# Allegro board 6089-119-RevB_08.brd (continued)
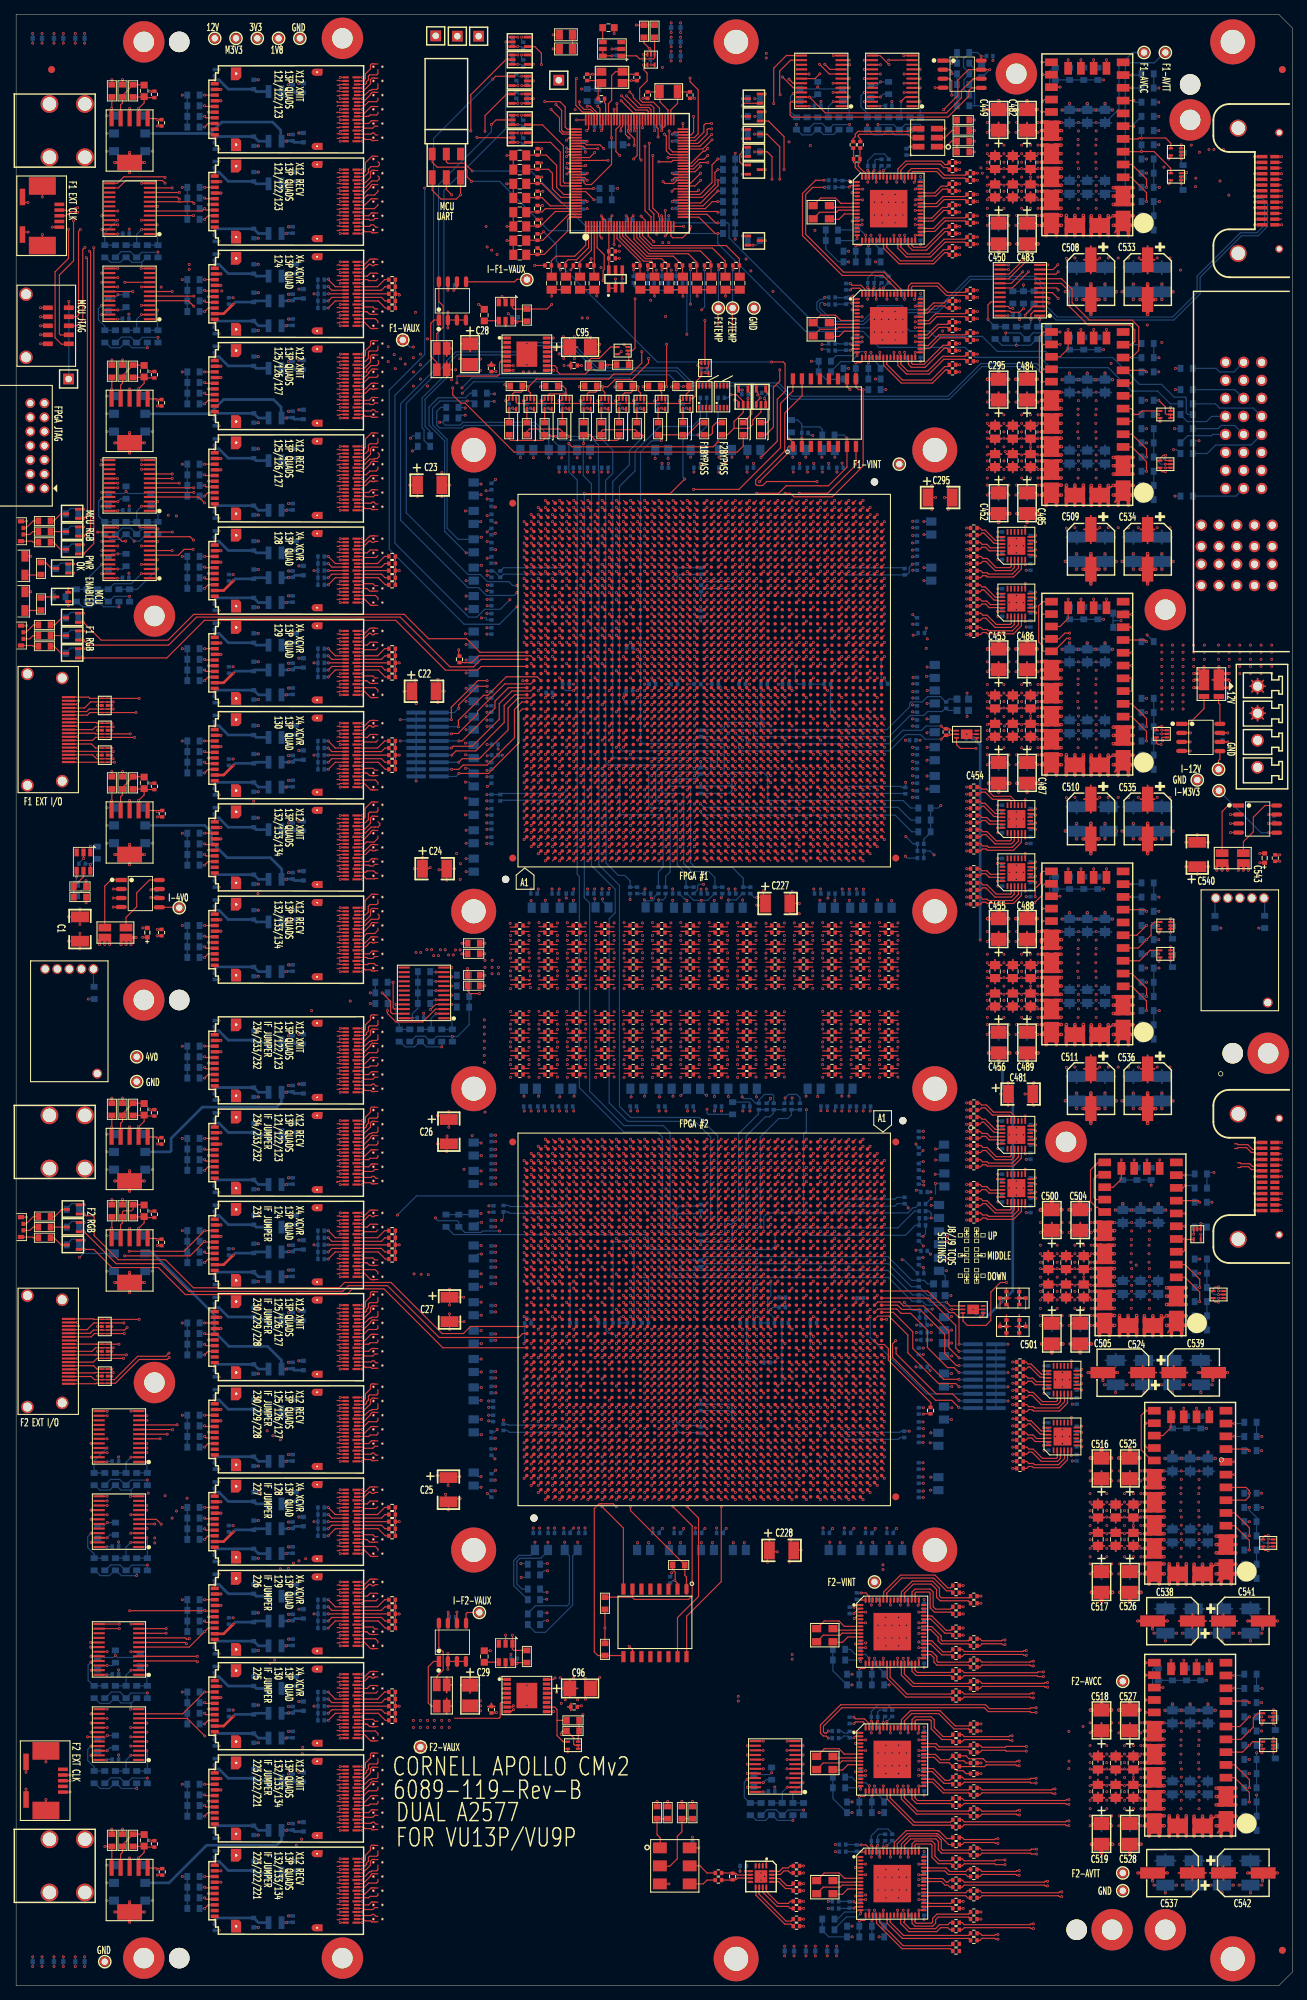
[diagram p0: board, top side]
## Routing (per net, layer and track width the routed paths; a pad name or vN(x,y) marks a point on that pad's centre or on a via; arc(x,y) is an arc through that point) (continued)
PF1_M_XMIT1: length 43.8
  TOP w0.165: C292.2 122.39,131.06 121.69,131.06 ; U75.BK13 121.39,170.51
  SIG3 w0.083: 121.69,131.06 121.9,131.27 arc(121.92,131.28) 121.95,131.29 122.4,131.29 arc(123,131.54) 123.25,132.14 123.25,150.25 arc(123.35,150.7) 123.6,151.1 arc(123.93,151.65) 124.05,152.29 124.05,168.3 arc(123.51,169.61) 122.2,170.15 121.85,170.15 arc(121.76,170.17) 121.68,170.22 121.39,170.51
PF1_M_XMIT2: length 37.6
  TOP w0.165: C290.2 122.39,133.56 121.69,133.56 ; U75.BL11 122.39,168.51
  SIG3 w0.083: 121.69,133.56 121.9,133.77 arc(121.92,133.78) 121.95,133.79 122.1,133.79 arc(122.52,133.97) 122.7,134.39 122.7,152.67 arc(122.7,152.71) 122.72,152.75 122.8,152.95 arc(122.84,153.03) 122.88,153.1 arc(123.05,153.39) 123.11,153.73 123.11,167.56 arc(122.95,167.95) 122.56,168.11 122.47,168.11 arc(122.42,168.14) 122.39,168.2 122.39,168.51
PF1_M_XMIT3: length 33.1
  TOP w0.165: C288.2 122.39,136.06 121.69,136.06 ; U75.BK9 121.39,166.51
  SIG3 w0.083: 121.69,136.06 121.7,136.06 arc(121.76,136.09) 121.79,136.14 arc(121.78,136.22) 121.82,136.3 arc(121.84,136.29) 121.86,136.29 arc(121.87,136.29) 121.88,136.29 arc(121.92,136.3) 121.96,136.31 arc(122.18,136.53) 122.26,136.82 122.26,137.75 arc(122.19,138.07) 122.01,138.34 121.55,138.8 arc(121.36,139.08) 121.3,139.4 121.3,150.72 arc(121.36,151.03) 121.54,151.29 121.65,151.4 arc(121.92,151.8) 122.01,152.27 122.01,165.66 arc(121.88,165.98) 121.56,166.11 121.47,166.11 arc(121.42,166.14) 121.39,166.2 121.39,166.51
PF1_N_RECV0: length 25.4
  TOP w0.165: C270.1 118.39,141.06 117.69,141.06 ; U75.BH4 119.39,161.51
  SIG4 w0.083: 119.39,161.51 119.39,161.2 arc(119.42,161.14) 119.47,161.11 120.6,161.11 arc(120.88,161) 121,160.71 121,151.39 arc(120.93,151.03) 120.72,150.73 120.22,150.22 arc(119.87,149.7) 119.75,149.09 119.75,141.89 arc(119.57,141.47) 119.15,141.29 117.95,141.29 arc(117.92,141.28) 117.9,141.27 117.69,141.06
PF1_N_RECV1: length 16
  TOP w0.165: U75.BG2 118.39,159.51 ; 117.69,146.06 118.39,146.06 C266.1
  SIG4 w0.083: 117.69,146.06 117.9,146.27 arc(117.92,146.28) 117.95,146.29 118.15,146.29 arc(118.65,146.5) 118.86,147 118.86,152.21 arc(118.87,152.47) 118.93,152.73 arc(118.98,152.98) 119,153.24 119,158.67 arc(118.87,158.98) 118.56,159.11 118.47,159.11 arc(118.42,159.14) 118.39,159.2 118.39,159.51
PF1_N_RECV2: length 23.7
  TOP w0.165: 117.69,143.56 118.39,143.56 C268.1 ; U75.BG6 118.39,163.51
  SIG4 w0.083: 118.39,163.51 118.39,163.2 arc(118.42,163.14) 118.47,163.11 118.56,163.11 arc(118.87,162.98) 119,162.67 119,160.4 arc(119.09,160.19) 119.3,160.1 119.6,160.1 arc(119.89,159.98) 120.01,159.69 120.01,151.53 arc(119.92,151.1) 119.68,150.73 119.63,150.69 arc(119.39,150.32) 119.3,149.88 119.3,144.94 arc(118.96,144.13) 118.15,143.79 117.95,143.79 arc(117.92,143.78) 117.9,143.77 117.69,143.56
PF1_N_RECV3: length 15.3
  TOP w0.165: C264.1 118.39,148.56 117.69,148.56 ; U75.BF4 117.39,161.51
  SIG4 w0.083: 117.69,148.56 117.7,148.56 arc(117.76,148.59) 117.79,148.65 117.79,148.71 arc(117.81,148.77) 117.87,148.79 117.95,148.79 arc(118.23,148.91) 118.35,149.19 118.35,151.51 arc(118.32,151.7) 118.25,151.87 arc(118.21,151.92) 118.17,151.97 arc(118.05,152.16) 118.01,152.38 118.01,160.66 arc(117.88,160.98) 117.56,161.11 117.47,161.11 arc(117.42,161.14) 117.39,161.2 117.39,161.51
PF1_N_XMIT0: length 37.5
  TOP w0.165: 117.69,133.56 118.39,133.56 C274.2 ; U75.BG11 118.39,168.51
  SIG3 w0.083: 118.39,168.51 118.39,168.2 arc(118.42,168.14) 118.47,168.11 118.56,168.11 arc(118.88,167.98) 119.01,167.66 119.01,151.36 118.7,151.05 118.7,134.45 arc(118.51,133.98) 118.04,133.79 117.96,133.79 arc(117.93,133.79) 117.9,133.79 arc(117.9,133.78) 117.9,133.76 117.69,133.56
PF1_N_XMIT1: length 43.6
  TOP w0.165: 117.69,128.56 118.39,128.56 C278.2 ; U75.BJ11 120.39,168.51
  SIG3 w0.083: 117.69,128.56 117.9,128.76 arc(117.9,128.78) 117.9,128.79 arc(117.93,128.79) 117.96,128.79 118.04,128.79 arc(119.36,129.34) 119.91,130.66 119.91,150.36 121.01,151.46 121.01,167.66 arc(120.88,167.98) 120.56,168.11 120.47,168.11 arc(120.42,168.14) 120.39,168.2 120.39,168.51
PF1_N_XMIT2: length 38.6
  TOP w0.165: 117.69,131.06 118.39,131.06 C276.2 ; U75.BH9 119.39,166.51
  SIG3 w0.083: 117.69,131.06 117.9,131.26 arc(117.9,131.28) 117.9,131.29 arc(117.93,131.29) 117.96,131.29 118.04,131.29 arc(118.94,131.66) 119.31,132.56 119.31,150.76 120.01,151.46 120.01,165.66 arc(119.88,165.98) 119.56,166.11 119.47,166.11 arc(119.42,166.14) 119.39,166.2 119.39,166.51
PF1_N_XMIT3: length 33.2
  TOP w0.165: U75.BF9 117.39,166.51 ; 117.69,136.06 118.39,136.06 C272.2
  SIG3 w0.083: 117.69,136.06 117.7,136.06 arc(117.76,136.09) 117.79,136.14 arc(117.78,136.22) 117.82,136.3 arc(117.84,136.29) 117.86,136.29 arc(117.87,136.29) 117.88,136.29 arc(117.92,136.3) 117.96,136.31 arc(118.18,136.53) 118.26,136.82 118.26,137.75 arc(118.19,138.07) 118.01,138.34 117.55,138.8 arc(117.36,139.08) 117.3,139.4 117.3,150.88 arc(117.35,151.13) 117.5,151.35 117.7,151.55 arc(117.93,151.9) 118.01,152.3 118.01,165.66 arc(117.88,165.98) 117.56,166.11 117.47,166.11 arc(117.42,166.14) 117.39,166.2 117.39,166.51
PF1_O_RECV0: length 23
  TOP w0.165: 113.69,141.06 114.39,141.06 C252.1 ; U75.BE2 116.39,159.51
  SIG4 w0.083: 116.39,159.51 116.39,159.2 arc(116.42,159.14) 116.47,159.11 116.56,159.11 arc(116.87,158.98) 117,158.67 117,152.14 arc(116.82,151.23) 116.3,150.45 arc(116,150.01) 115.9,149.48 115.9,141.9 arc(115.72,141.48) 115.3,141.3 114.26,141.3 arc(113.95,141.24) 113.69,141.06 113.92,141.29 114.18,141.29 114.17,141.3 114.1,141.3
PF1_O_RECV1: length 21.3
  TOP w0.165: C250.1 114.39,143.56 113.69,143.56 ; U75.BD4 115.39,161.51
  SIG4 w0.083: 113.69,143.56 113.74,143.61 arc(113.95,143.75) 114.2,143.8 115.1,143.8 arc(115.31,143.89) 115.4,144.1 115.4,149.17 arc(115.49,149.89) 115.75,150.56 115.76,150.57 arc(115.76,150.57) 115.76,150.57 arc(115.94,151.02) 116,151.5 116,160.67 arc(115.87,160.98) 115.56,161.11 115.47,161.11 arc(115.42,161.14) 115.39,161.2 115.39,161.51
PF1_O_RECV2: length 16
  TOP w0.165: U75.BC2 114.39,159.51 ; 113.69,146.06 114.39,146.06 C248.1
  SIG4 w0.083: 114.39,159.51 114.39,159.2 arc(114.42,159.14) 114.47,159.11 114.56,159.11 arc(114.87,158.98) 115,158.67 115,150.41 arc(114.98,150.28) 114.93,150.15 arc(114.88,150.02) 114.86,149.89 114.86,147.13 arc(114.79,146.79) 114.6,146.5 arc(114.38,146.35) 114.12,146.3 arc(113.94,146.27) 113.8,146.17 113.69,146.06
PF1_O_RECV3: length 15.2
  TOP w0.165: C246.1 114.39,148.56 113.69,148.56 ; U75.BB4 113.39,161.51
  SIG4 w0.083: 113.69,148.56 113.88,148.75 arc(113.93,148.79) 114,148.8 arc(114.21,148.89) 114.3,149.1 114.3,149.96 arc(114.27,150.09) 114.2,150.2 arc(114.05,150.42) 114,150.68 114,160.67 arc(113.87,160.98) 113.56,161.11 113.47,161.11 arc(113.42,161.14) 113.39,161.2 113.39,161.51
PF1_O_XMIT0: length 39.9
  TOP w0.165: 113.69,128.56 114.39,128.56 C260.2 ; U75.BE7 116.39,164.51
  SIG3 w0.083: 113.69,128.56 113.9,128.77 arc(113.92,128.78) 113.95,128.79 115.1,128.79 arc(115.67,129.02) 115.9,129.59 115.9,150.05 arc(115.96,150.37) 116.15,150.65 116.5,151 arc(116.88,151.56) 117.01,152.23 117.01,163.66 arc(116.88,163.98) 116.56,164.11 116.47,164.11 arc(116.42,164.14) 116.39,164.2 116.39,164.51
PF1_O_XMIT1: length 38.6
  TOP w0.165: C258.2 114.39,131.06 113.69,131.06 ; U75.BD9 115.39,166.51
  SIG3 w0.083: 115.39,166.51 115.39,166.2 arc(115.42,166.14) 115.47,166.11 115.56,166.11 arc(115.88,165.98) 116.01,165.66 116.01,152.28 arc(115.94,151.94) 115.75,151.65 115.53,151.43 arc(115.32,151.12) 115.25,150.75 115.25,132.14 arc(115,131.54) 114.4,131.29 113.95,131.29 arc(113.92,131.28) 113.9,131.27 113.69,131.06
PF1_O_XMIT2: length 33.5
  TOP w0.165: U75.BC7 114.39,164.51 ; 113.69,133.56 114.39,133.56 C256.2
  SIG3 w0.083: 113.69,133.56 113.9,133.77 arc(113.92,133.78) 113.95,133.79 114.1,133.79 arc(114.52,133.97) 114.7,134.39 114.7,151.68 arc(114.71,151.74) 114.75,151.8 arc(114.94,152.09) 115.01,152.43 115.01,163.66 arc(114.88,163.98) 114.56,164.11 114.47,164.11 arc(114.42,164.14) 114.39,164.2 114.39,164.51
PF1_O_XMIT3: length 33.1
  TOP w0.165: C254.2 114.39,136.06 113.69,136.06 ; U75.BB9 113.39,166.51
  SIG3 w0.083: 113.39,166.51 113.39,166.2 arc(113.42,166.14) 113.47,166.11 113.56,166.11 arc(113.83,166) 113.95,165.72 113.95,152.55 arc(113.85,152.02) 113.57,151.57 113.56,151.56 arc(113.37,151.24) 113.3,150.88 113.3,139.4 arc(113.36,139.08) 113.55,138.8 114.01,138.34 arc(114.19,138.07) 114.26,137.75 114.26,136.82 arc(114.18,136.53) 113.96,136.31 arc(113.92,136.3) 113.88,136.29 arc(113.87,136.29) 113.86,136.29 arc(113.84,136.29) 113.82,136.3 arc(113.78,136.22) 113.79,136.14 arc(113.76,136.09) 113.7,136.06 113.69,136.06
PF1_TCDS_CROSS_RECV_A: length 57.5
  TOP w0.165: 109.69,146.06 110.39,146.06 C240.2 ; U75.BH34 119.39,192.29
  SIG4 w0.083: 119.39,192.29 119.39,192.6 arc(119.37,192.66) 119.31,192.69 111.25,192.69 arc(111.08,192.62) 111.01,192.45 111.01,154.81 110.97,154.77 110.97,147.22 arc(110.69,146.56) 110.04,146.29 109.95,146.29 arc(109.92,146.28) 109.9,146.27 109.69,146.06
PF1_TCDS_CROSS_RECV_B: length 41.9
  TOP w0.165: 109.69,144.23 110.38,144.23 C241.2 ; U75.BH18 119.39,175.51
  SIG4 w0.083: 109.69,144.23 109.9,144.02 arc(109.92,144.01) 109.95,144 110.7,144 arc(111.05,144.15) 111.2,144.5 111.2,154.05 arc(111.25,154.32) 111.41,154.55 111.49,154.64 arc(111.72,154.98) 111.8,155.38 111.8,174.76 arc(111.9,175.01) 112.15,175.11 119.31,175.11 arc(119.37,175.14) 119.39,175.2 119.39,175.51
PF1_TCDS_CROSS_XMIT_A: length 58.9
  TOP w0.165: C237.2 110.38,149.23 109.7,149.23 ; U75.BG37 118.39,195.29
  SIG4 w0.083: 118.39,195.29 118.39,195.46 arc(118.44,195.59) 118.57,195.64 118.65,195.64 arc(118.75,195.6) 118.79,195.5 118.79,194.05 arc(118.75,193.95) 118.65,193.91 110.15,193.91 arc(109.86,193.79) 109.74,193.5 109.74,158.03 109.55,157.84 109.55,157.51 109.74,157.32 109.74,156.99 109.55,156.8 109.55,156.47 109.74,156.28 109.74,155.95 109.55,155.76 109.55,155.43 109.74,155.24 109.74,154.27 arc(109.74,154.23) 109.74,154.18 arc(109.75,154.15) 109.74,154.12 arc(109.74,154.07) 109.74,154.02 109.74,153.61 109.6,153.47 109.6,153.14 109.74,153 109.74,152.67 109.6,152.53 109.6,152.2 109.74,152.06 109.74,150.94 arc(109.78,150.73) 109.9,150.55 110.15,150.31 arc(110.18,150.26) 110.19,150.2 110.19,149.24 arc(110.12,149.07) 109.95,149 109.87,149 arc(109.81,149.02) 109.79,149.08 109.79,149.14 arc(109.76,149.2) 109.7,149.23
PF1_TCDS_CROSS_XMIT_B: length 40
  TOP w0.165: 109.69,141.73 110.38,141.73 C243.2 ; U75.BG15 118.39,172.51
  SIG4 w0.083: 118.39,172.51 118.39,172.2 arc(118.37,172.14) 118.31,172.11 113.25,172.11 arc(112.93,171.98) 112.8,171.66 112.8,154.59 arc(112.75,154.32) 112.59,154.09 111.98,153.47 arc(111.77,153.17) 111.7,152.81 111.7,142.3 arc(111.47,141.73) 110.9,141.5 109.95,141.5 arc(109.92,141.51) 109.9,141.52 109.69,141.73
PF1_TEST_CONN_0: length 121.8
  TOP w0.165: U75.BD28 v1(115.39,186.29) ; v1(13.87,172.4) U5.6 U5.5 7.43,172.4 J5.1
  PWR3 w0.152: v1(115.39,186.29) 115.34,186.29 114.95,185.9 114.95,180.25 114.75,180.05 67,180.05 66.85,179.9 64.05,179.9 63.35,179.2 63.28,179.2 63.05,178.97 63.05,178.9 58.4,174.25 57.36,174.25 57.2,174.4 57.2,175.35 57.05,175.5 56.75,175.5 56.59,175.35 56.59,174.4 56.44,174.25 56.14,174.25 55.98,174.4 55.98,174.85 55.83,175 55.53,175 55.38,174.85 55.38,174.4 55.22,174.25 45.15,174.25 44.6,174.8 44.18,174.8 44.18,174.81 43.84,174.81 43.83,174.8 30.6,174.8 27.7,171.9 14.37,171.9 v1(13.87,172.4)
PF1_TEST_CONN_1: length 123.2
  TOP w0.165: v1(13.69,173.9) U5.9 U5.2 11.52,173.9 11.48,173.94 7.41,173.94 J5.4 ; U75.AW31 v1(110.39,189.29)
  PWR3 w0.152: v1(110.39,189.29) 110.39,189.31 109.9,189.8 109.9,191.6 109.7,191.8 61.95,191.8 61.25,192.5 25.65,192.5 19.17,186.02 18.96,186.02 18.27,186.71 18.06,186.71 17.84,186.49 17.84,186.28 18.53,185.59 18.53,185.38 18.31,185.16 18.1,185.16 17.41,185.85 17.2,185.85 11.9,180.55 11.9,176.58 14,174.48 14,174.05 13.85,173.9 v1(13.69,173.9)
PF1_TEST_CONN_2: length 110.4
  TOP w0.165: v1(16.7,175.9) U4.6 U4.5 11.2,175.9 10.78,175.48 J5.7 ; U75.AV29 v1(109.39,187.29)
  PWR3 w0.152: v1(109.39,187.29) 108.9,186.8 64.25,186.8 63.65,186.2 60.85,186.2 55.08,180.43 28.78,180.43 28.77,180.42 28.45,180.42 28.43,180.43 21.23,180.43 19.47,178.67 19.47,178.46 19.76,178.17 19.76,177.96 19.54,177.74 19.33,177.74 19.04,178.03 18.83,178.03 18.61,177.81 18.61,177.59 19.19,177.01 19.19,176.79 18.98,176.58 18.76,176.58 18.18,177.16 17.96,177.16 v1(16.7,175.9)
PF1_TEST_CONN_3: length 111.3
  TOP w0.165: U75.AU31 v1(108.39,189.29) ; J5.10 10.8,177 11.2,177.4 U4.2 U4.9 v1(13.69,177.4)
  PWR3 w0.152: v1(13.69,177.4) 14.85,178.56 14.85,180.45 17.1,182.7 27.3,182.7 30.05,185.45 31.15,185.45 31.3,185.6 31.3,186.35 31.46,186.5 31.76,186.5 31.91,186.35 31.91,185.6 32.07,185.45 32.37,185.45 32.52,185.6 32.52,186.35 32.67,186.5 32.98,186.5 33.13,186.35 33.13,185.85 33.28,185.7 37.4,185.7 37.65,185.95 42.98,185.95 43.91,186.88 55.63,186.88 58.55,189.8 66.08,189.8 66.09,189.79 66.64,189.79 66.65,189.8 107.88,189.8 v1(108.39,189.29)
PF1_TEST_CONN_4: length 110.2
  TOP w0.165: U75.AY30 v1(111.39,188.29) ; J5.14 10.03,179.03 10.4,179.4 U3.5 U3.6 v1(16.9,179.4)
  PWR3 w0.152: v1(16.9,179.4) 16.9,181.75 17.3,182.15 27.33,182.15 27.83,182.65 28.4,182.65 30.1,184.35 42.15,184.35 43.65,185.85 55.7,185.85 57.75,187.9 62.21,187.9 62.24,187.87 62.56,187.87 62.59,187.9 62.85,187.9 63.55,188.6 63.59,188.6 63.79,188.8 110.88,188.8 v1(111.39,188.29)
PF1_TEST_CONN_5: length 120.6
  TOP w0.165: J5.15 9.94,179.54 10.3,179.9 U3.4 U3.7 v1(13.69,179.9) ; U75.BA29 v1(112.39,187.29)
  PWR3 w0.152: v1(13.69,179.9) 13.25,179.9 12.95,179.6 12.95,176.75 14.75,174.95 21.45,174.95 21.6,175.1 21.6,175.35 21.75,175.5 22.06,175.5 22.21,175.35 22.21,175.1 22.36,174.95 23.95,174.95 25.17,176.17 25.17,176.38 24.88,176.67 24.88,176.88 25.1,177.1 25.31,177.1 25.6,176.81 25.81,176.81 26.03,177.03 26.03,177.24 25.74,177.53 25.74,177.74 25.9,177.9 26.11,177.9 26.33,177.67 26.67,177.67 27.2,178.2 27.2,178.42 26.92,178.7 26.92,178.92 27.13,179.13 27.35,179.13 27.63,178.85 27.85,178.85 28.65,179.65 61.4,179.65 66.55,184.8 110.45,184.8 110.9,185.25 110.9,186.5 111.2,186.8 111.9,186.8 v1(112.39,187.29)
PF1F2_SPARE0: length 124.4
  TOP w0.165: U77.BG29 v1(75.61,90.51) ; U75.E30 v1(75.61,188.29)
  SIG1 w0.083: v1(75.61,188.29) 75.3,188.29 75.21,188.37 75.21,188.58 74.89,188.9 69.36,188.9 65.65,185.19 65.65,164.2 58.14,156.69 58.14,146.23 v1(57.92,146)
  SIG4 w0.083: v1(57.92,146) 58.1,145.82 58.1,144.85 55.25,142 55.25,125.8 64.9,116.15 64.9,95.7 70.7,89.9 74.89,89.9 75.21,90.22 75.21,90.43 75.3,90.51 v1(75.61,90.51)
PF1F2_SPARE1: length 115.9
  TOP w0.165: U75.D28 v1(74.61,186.29) ; U77.BF29 v1(76.61,90.51)
  SIG1 w0.083: v1(60.48,145.97) 60.3,146.15 60.3,154.5 66.19,160.39 67.19,160.39 69.01,162.21 69.01,173.09 69.09,173.17 69.09,173.63 69.01,173.71 69.01,184.46 71.23,186.69 74.53,186.69 74.61,186.6 v1(74.61,186.29)
  SIG4 w0.083: v1(60.48,145.97) 60.36,145.85 60.36,133.74 60.76,133.34 60.76,126.34 67.21,119.89 67.21,98.69 70.99,94.91 75.84,94.91 76.19,94.56 76.19,90.86 76.54,90.51 v1(76.61,90.51)
PF1F2_SPARE2: length 117.7
  TOP w0.165: U75.C29 v1(73.61,187.29) ; U77.BG26 v1(75.61,94.29)
  SIG1 w0.083: v1(59.53,145.15) 59.2,145.48 59.2,155.45 66.14,162.39 66.74,162.39 67.06,162.71 67.06,184.26 70.48,187.69 73.53,187.69 73.61,187.6 v1(73.61,187.29)
  SIG4 w0.083: v1(59.53,145.15) 59.3,144.92 59.3,143.85 56.91,141.46 56.91,128.19 66.21,118.89 66.21,95.79 68.5,93.5 75.53,93.5 75.61,93.59 v1(75.61,94.29)
PF2_A_RECV0: length 15.3
  TOP w0.165: 88.3,128.59 87.64,128.59 C133.1 ; U77.AP4 88.61,116.29
  SIG2 w0.083: 88.61,116.29 88.61,116.6 arc(88.63,116.66) 88.69,116.69 88.77,116.69 arc(89.08,116.81) 89.2,117.11 89.2,125.85 arc(89.15,126.12) 88.99,126.36 87.93,127.42 arc(87.89,127.48) 87.88,127.55 87.88,128.67 arc(87.91,128.75) 88,128.79 arc(88.09,128.77) 88.17,128.72 88.3,128.59
PF2_A_RECV1: length 15.9
  TOP w0.165: 88.3,131.05 87.6,131.05 C131.1 ; U77.AR2 87.61,118.29
  SIG2 w0.083: 88.3,131.05 88.1,131.25 arc(88.07,131.27) 88.04,131.28 87.96,131.28 arc(87.56,131.11) 87.4,130.72 87.4,127.33 arc(87.46,127.03) 87.63,126.77 87.97,126.43 arc(88.18,126.12) 88.25,125.75 88.25,119.16 arc(88.11,118.83) 87.77,118.69 87.69,118.69 arc(87.63,118.66) 87.61,118.6 87.61,118.29
PF2_A_RECV2: length 20.9
  TOP w0.165: C129.1 87.64,133.59 88.3,133.59 ; U77.AT4 86.61,116.29
  SIG2 w0.083: 88.3,133.59 88.1,133.79 arc(88.07,133.81) 88.04,133.82 87.25,133.82 arc(86.97,133.7) 86.85,133.42 86.85,126.47 arc(86.89,126.25) 87,126.05 arc(87.19,125.72) 87.25,125.35 87.25,117.16 arc(87.11,116.83) 86.77,116.69 86.69,116.69 arc(86.63,116.66) 86.61,116.6 86.61,116.29
PF2_A_RECV3: length 21.7
  TOP w0.165: U77.AU2 85.61,118.29 ; 88.3,136.01 88.16,136.01 88.16,136.05 88.15,136.04 87.59,136.04 C127.1
  SIG2 w0.083: 85.61,118.29 85.61,118.6 arc(85.63,118.66) 85.69,118.69 85.77,118.69 arc(86.04,118.8) 86.15,119.06 86.15,124.54 arc(86.15,124.58) 86.16,124.62 arc(86.18,124.69) 86.21,124.76 arc(86.28,125.03) 86.31,125.3 86.31,135.57 arc(86.51,136.06) 87,136.27 88.04,136.27 arc(88.07,136.26) 88.1,136.24 88.3,136.04 arc(88.3,136.04) 88.3,136.03 88.3,136.01
PF2_A_XMIT0: length 32.8
  TOP w0.165: C125.2 87.64,141.09 88.3,141.09 ; U77.AP9 88.61,111.29
  SIG1 w0.083: 88.3,141.1 88.3,141.09 88.18,141.21 arc(88.11,141.26) 88.03,141.28 87.98,141.27 arc(87.96,141.26) 87.94,141.25 87.9,141.21 arc(87.86,141.15) 87.85,141.08 87.85,140.59 arc(87.89,140.41) 87.99,140.26 88.94,139.31 arc(89.17,138.97) 89.25,138.56 89.25,136.21 89.25,136.21 89.25,135.92 89.25,135.92 89.25,112.15 89.26,112.14 89.26,112.05 arc(89.16,111.8) 88.91,111.7 88.83,111.7 arc(88.67,111.64) 88.61,111.48 88.61,111.29
PF2_A_XMIT1: length 33.5
  TOP w0.165: 88.3,143.55 87.6,143.55 C123.2 ; U77.AR7 87.61,113.29
  SIG1 w0.083: 87.61,113.29 87.61,113.48 arc(87.67,113.64) 87.83,113.7 87.91,113.7 arc(88.16,113.8) 88.26,114.05 88.26,125.2 88.25,125.2 88.25,125.49 88.26,125.49 88.26,127.07 arc(88.25,127.22) 88.2,127.36 88.18,127.42 87.95,127.65 arc(87.88,127.76) 87.85,127.88 87.85,138.1 arc(87.79,138.38) 87.64,138.61 87.56,138.69 arc(87.45,138.86) 87.41,139.06 87.41,143.57 arc(87.41,143.6) 87.43,143.62 87.5,143.69 arc(87.56,143.73) 87.64,143.75 87.85,143.75 arc(88.08,143.7) 88.28,143.57 88.3,143.55
PF2_A_XMIT2: length 38.3
  TOP w0.165: 88.3,146.09 87.64,146.09 C121.2 ; U77.AT9 86.61,111.29
  SIG1 w0.083: 86.61,111.29 86.61,111.48 arc(86.67,111.64) 86.83,111.7 86.91,111.7 arc(87.16,111.8) 87.26,112.05 87.26,123.12 87.25,123.12 87.25,123.41 87.26,123.41 87.26,126.43 arc(87.21,126.67) 87.08,126.87 87.02,126.92 arc(86.97,127) 86.95,127.1 86.95,138.03 86.89,138.25 86.85,138.41 86.85,145.71 arc(86.89,145.92) 86.99,146.1 arc(87.02,146.13) 87.06,146.16 arc(87.21,146.24) 87.39,146.29 arc(87.43,146.3) 87.47,146.3 87.9,146.3 arc(88.07,146.27) 88.22,146.17 88.3,146.09
PF2_A_XMIT3: length 39.3
  TOP w0.165: 88.3,148.54 87.59,148.54 C119.2 ; U77.AU7 85.61,113.29
  SIG1 w0.083: 85.61,113.29 85.61,113.48 arc(85.67,113.64) 85.83,113.7 85.91,113.7 arc(86.16,113.8) 86.26,114.05 86.26,148.34 arc(86.26,148.38) 86.27,148.42 arc(86.33,148.55) 86.41,148.66 arc(86.51,148.73) 86.62,148.75 87.9,148.75 arc(88.08,148.72) 88.22,148.62 88.3,148.54
PF2_B_RECV0: length 15.3
  TOP w0.165: 92.3,128.59 91.64,128.59 C153.1 ; U77.AK4 92.61,116.29
  SIG2 w0.083: 92.61,116.29 92.61,116.6 arc(92.63,116.66) 92.69,116.69 92.77,116.69 arc(93.08,116.81) 93.2,117.11 93.2,125.85 arc(93.15,126.12) 92.99,126.36 91.93,127.42 arc(91.89,127.48) 91.88,127.55 91.88,128.67 arc(91.91,128.75) 92,128.79 arc(92.09,128.77) 92.17,128.72 92.3,128.59
PF2_B_RECV1: length 15.9
  TOP w0.165: U77.AL2 91.61,118.29 ; C151.1 91.6,131.05 92.3,131.05
  SIG2 w0.083: 92.3,131.05 92.1,131.25 arc(92.07,131.27) 92.04,131.28 91.96,131.28 arc(91.56,131.11) 91.4,130.72 91.4,127.33 arc(91.46,127.03) 91.63,126.77 91.97,126.43 arc(92.18,126.12) 92.25,125.75 92.25,119.16 arc(92.11,118.83) 91.77,118.69 91.69,118.69 arc(91.63,118.66) 91.61,118.6 91.61,118.29
PF2_B_RECV2: length 20.9
  TOP w0.165: 92.3,133.59 91.64,133.59 C149.1 ; U77.AM4 90.61,116.29
  SIG2 w0.083: 92.3,133.59 92.1,133.79 arc(92.07,133.81) 92.04,133.82 91.25,133.82 arc(90.97,133.7) 90.85,133.42 90.85,126.47 arc(90.89,126.25) 91,126.05 arc(91.19,125.72) 91.25,125.35 91.25,117.16 arc(91.11,116.83) 90.77,116.69 90.69,116.69 arc(90.63,116.66) 90.61,116.6 90.61,116.29
PF2_B_RECV3: length 21.6
  TOP w0.165: U77.AN2 89.61,118.29 ; 92.3,136.04 91.59,136.04 C147.1
  SIG2 w0.083: 89.61,118.29 89.61,118.6 arc(89.63,118.66) 89.69,118.69 89.77,118.69 arc(90.04,118.8) 90.15,119.06 90.15,124.54 arc(90.15,124.58) 90.16,124.62 arc(90.18,124.69) 90.21,124.76 arc(90.28,125.03) 90.31,125.3 90.31,135.57 arc(90.51,136.06) 91,136.27 92.04,136.27 arc(92.07,136.26) 92.1,136.24 92.3,136.04
PF2_B_XMIT0: length 32.8
  TOP w0.165: C145.2 91.64,141.09 92.3,141.09 ; U77.AK9 92.61,111.29
  SIG1 w0.083: 92.3,141.1 92.3,141.09 92.18,141.21 arc(92.11,141.26) 92.03,141.28 91.98,141.27 arc(91.96,141.26) 91.94,141.25 91.9,141.21 arc(91.86,141.15) 91.85,141.08 91.85,140.59 arc(91.87,140.51) 91.92,140.43 92.99,139.36 arc(93.03,139.31) 93.07,139.25 arc(93.2,138.92) 93.25,138.56 93.25,112.15 93.26,112.14 93.26,112.05 arc(93.16,111.8) 92.91,111.7 92.83,111.7 arc(92.67,111.64) 92.61,111.48 92.61,111.29
PF2_B_XMIT1: length 33.5
  TOP w0.165: U77.AL7 91.61,113.29 ; C143.2 91.6,143.55 92.3,143.55
  SIG1 w0.083: 92.3,143.55 92.28,143.57 arc(92.08,143.7) 91.85,143.75 91.64,143.75 arc(91.56,143.73) 91.5,143.69 91.43,143.62 arc(91.41,143.6) 91.41,143.57 91.41,139.06 arc(91.45,138.86) 91.56,138.69 91.64,138.61 arc(91.79,138.38) 91.85,138.1 91.85,127.88 arc(91.88,127.76) 91.95,127.65 92.18,127.42 92.2,127.36 arc(92.25,127.22) 92.26,127.07 92.26,125.49 92.25,125.49 92.25,125.2 92.26,125.2 92.26,114.05 arc(92.16,113.8) 91.91,113.7 91.83,113.7 arc(91.67,113.64) 91.61,113.48 91.61,113.29
PF2_B_XMIT2: length 38.3
  TOP w0.165: C141.2 91.64,146.09 92.3,146.09 ; U77.AM9 90.61,111.29
  SIG1 w0.083: 92.3,146.09 92.22,146.17 arc(92.07,146.27) 91.9,146.3 91.47,146.3 arc(91.43,146.3) 91.39,146.29 arc(91.21,146.24) 91.06,146.16 arc(91.02,146.13) 90.99,146.1 arc(90.89,145.92) 90.85,145.71 90.85,138.41 90.95,138.03 90.95,127.1 arc(90.97,127) 91.02,126.92 91.08,126.87 arc(91.21,126.67) 91.26,126.43 91.26,123.41 91.25,123.41 91.25,123.12 91.26,123.12 91.26,112.05 arc(91.16,111.8) 90.91,111.7 90.83,111.7 arc(90.67,111.64) 90.61,111.48 90.61,111.29
PF2_B_XMIT3: length 39.3
  TOP w0.165: U77.AN7 89.61,113.29 ; C139.2 91.59,148.54 92.3,148.54
  SIG1 w0.083: 89.61,113.29 89.61,113.48 arc(89.67,113.64) 89.83,113.7 89.91,113.7 arc(90.16,113.8) 90.26,114.05 90.26,148.34 arc(90.26,148.38) 90.27,148.42 arc(90.33,148.55) 90.41,148.66 arc(90.51,148.73) 90.62,148.75 91.9,148.75 arc(92.08,148.72) 92.22,148.62 92.3,148.54
PF2_C_RECV0: length 15.7
  TOP w0.165: U77.AF4 97.39,116.29 ; C172.1 95.64,128.59 96.3,128.59
  SIG2 w0.083: 96.3,128.59 96.1,128.79 arc(96.07,128.81) 96.04,128.82 95.96,128.82 arc(95.93,128.81) 95.91,128.81 arc(95.86,128.78) 95.84,128.73 95.84,128.3 95.84,128.3 arc(95.91,127.98) 96.09,127.71 97.39,126.41 arc(97.84,125.73) 98,124.94 98,117.13 arc(97.87,116.82) 97.56,116.69 97.47,116.69 arc(97.42,116.66) 97.39,116.6 97.39,116.29
PF2_C_RECV1: length 15.9
  TOP w0.165: 96.3,131.05 95.6,131.05 C170.1 ; U77.AG2 95.61,118.29
  SIG2 w0.083: 95.61,118.29 95.61,118.6 arc(95.63,118.66) 95.69,118.69 95.77,118.69 arc(96.11,118.83) 96.25,119.16 96.25,125.75 arc(96.18,126.12) 95.97,126.43 95.63,126.77 arc(95.46,127.03) 95.4,127.33 95.4,130.72 arc(95.56,131.11) 95.96,131.28 96.04,131.28 arc(96.07,131.27) 96.1,131.25 96.3,131.05
PF2_C_RECV2: length 20.9
  TOP w0.165: 96.3,133.59 95.64,133.59 C168.1 ; U77.AH4 94.61,116.29
  SIG2 w0.083: 96.3,133.59 96.1,133.79 arc(96.07,133.81) 96.04,133.82 95.25,133.82 arc(94.97,133.7) 94.85,133.42 94.85,126.47 arc(94.89,126.25) 95,126.05 arc(95.19,125.72) 95.25,125.35 95.25,117.16 arc(95.11,116.83) 94.77,116.69 94.69,116.69 arc(94.63,116.66) 94.61,116.6 94.61,116.29
PF2_C_RECV3: length 21.6
  TOP w0.165: 96.3,136.04 95.59,136.04 C166.1 ; U77.AJ2 93.61,118.29
  SIG2 w0.083: 93.61,118.29 93.61,118.6 arc(93.63,118.66) 93.69,118.69 93.77,118.69 arc(94.04,118.8) 94.15,119.06 94.15,124.54 arc(94.15,124.58) 94.16,124.62 arc(94.18,124.69) 94.21,124.76 arc(94.28,125.03) 94.31,125.3 94.31,135.57 arc(94.51,136.06) 95,136.27 96.04,136.27 arc(96.07,136.26) 96.1,136.24 96.3,136.04
PF2_C_XMIT0: length 33
  TOP w0.165: C164.2 95.64,141.09 96.3,141.09 ; U77.AF9 97.39,111.29
  SIG1 w0.083: 97.39,111.29 97.39,111.53 arc(97.44,111.64) 97.55,111.69 arc(97.87,111.83) 98.01,112.15 98.01,125.04 arc(97.87,125.73) 97.48,126.31 97.42,126.38 arc(97.29,126.56) 97.25,126.79 97.25,138.56 arc(97.18,138.92) 96.98,139.22 95.89,140.31 arc(95.86,140.35) 95.85,140.4 95.85,141.08 arc(95.86,141.15) 95.9,141.21 95.94,141.25 arc(95.96,141.26) 95.98,141.27 96.03,141.28 arc(96.11,141.26) 96.18,141.21 96.3,141.09 96.3,141.1
PF2_C_XMIT1: length 33.5
  TOP w0.165: C162.2 95.6,143.55 96.3,143.55 ; U77.AG7 95.61,113.29
  SIG1 w0.083: 95.61,113.29 95.61,113.48 arc(95.67,113.64) 95.83,113.7 95.91,113.7 arc(96.16,113.8) 96.26,114.05 96.26,125.2 96.25,125.2 96.25,125.49 96.26,125.49 96.26,127.07 arc(96.25,127.22) 96.2,127.36 96.18,127.42 95.95,127.65 arc(95.88,127.76) 95.85,127.88 95.85,138.1 arc(95.79,138.38) 95.64,138.61 95.56,138.69 arc(95.45,138.86) 95.41,139.06 95.41,143.57 arc(95.41,143.6) 95.43,143.62 95.5,143.69 arc(95.56,143.73) 95.64,143.75 95.85,143.75 arc(96.08,143.7) 96.28,143.57 96.3,143.55